# Altium PCB 尺子V1.0.PcbDoc (part 3 of 3)
Units mil, origin at the board's own origin, x right, y up, seen from the top; angles counter-clockwise.
Board outline 8267.72 x 1574.8 mil, 2 copper layers (Top Layer, Bottom Layer); 23 components, 0 nets, 993 pads, 1 vias.
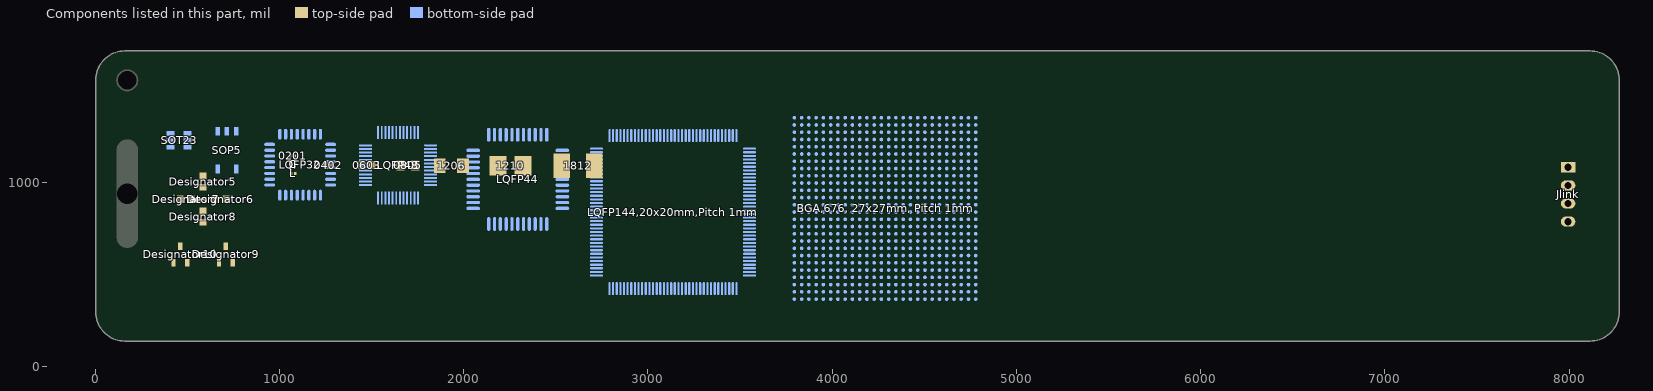
[diagram p3: the components of this part, seen from the top]

## Via types
v1: diameter 60, hole 30, Top Layer to Bottom Layer, 1 vias

## Nets (pads, with @x,y where several pads share a name; then routed paths per layer and width w, separated by ;. In a path a pad name is that pad's centre, name@x,y a point inside that pad or via, vN(x,y) a via of type N, cw(c..) or ccw(c..) an arc to the next point about the centre after c; other vN are vias at no path point) (continued)
copper on no net: | length 213893
  Top Layer w7.87: 3166.27,751.5 3185.96,771.18 3166.28,751.5 ; 3996.77,1256.6 3996.77,1339.94 ; 3998.47,1258.07 3998.47,1341.42 ; 3927.65,1138.19 3996.85,1068.98 ; 3927.65,1138.19 3927.65,1142.47 3927.65,1138.19 ; 3927.65,1138.19 3996.85,1068.98 ; 3927.65,1185.64 3998.16,1256.15 3927.65,1185.64 ; 3927.65,1185.64 3927.65,1181.39 3927.65,1185.64 ; 3929.61,689.37 3998.81,620.16 ; 3929.61,689.37 3929.61,693.65 3929.61,689.37 ; 3929.61,689.37 3998.81,620.16 ; 3929.61,736.82 4000.12,807.33 3929.61,736.82 ; 3929.61,736.82 3929.61,732.57 3929.61,736.82 ; 3996.85,1068.98 3996.85,985.62 3996.85,1068.98 ; 3998.81,620.16 3998.81,536.79 3998.81,620.16 ; 3158.4,1003.47 3178.09,1023.15 3158.4,1003.47 ; 3189.9,999.53 3209.58,1019.21 3189.89,999.53 ; 3197.78,747.56 3217.46,767.25 3197.78,747.56 ; 3789.86,1161.39 3927.65,1161.39 3789.85,1161.39 ; 3791.82,712.57 3929.61,712.57 3791.81,712.57 ; 3998.74,807.78 3998.74,891.12 3998.73,807.78
  Top Layer w10: 462.99,910 476.3,896.69 ; 520.32,910 649.68,910 ; 585,784.68 598.31,797.99 ; 585,845.32 585,974.68 ; 710.31,910 720,900.31 ; 3632.93,975.91 3607.22,975.91 3559.98,975.91 3607.23,975.91 3632.93,975.91 ; 3644.62,720 3579.66,720 3644.63,720 ; 5342.4,660.59 6057.54,532.87 ; 5378.6,795.99 6061.9,549.1 ; 5439.77,927.93 6069.09,564.56 ; 5524.78,1049.09 6078.79,578.46 ; 5570.86,1099.29 6084.66,584.88 ; 5629.91,1153.05 6090.93,590.64 ; 5744.07,1232.19 6104.97,600.49 ; 5869.54,1290.98 6120.57,607.76 ; 6011.77,1329.58 6137.24,612.64 ; 6154.55,1342.32 v1@6155,515 ; 6171.12,612.13 6296.06,1330.43 ; 6187.53,607.73 6440.22,1292.06 ; 6202.99,600.51 6566.44,1233.45 ; 6216.83,590.84 6688.94,1147.92 ; 6223.29,584.94 6743.77,1097.35 ; 6228.77,578.99 6794.6,1041.09 ; 6238.72,564.88 6872.28,929.08 ; 6245.74,550.07 6932.03,801.7 ; 6250.57,532.27 6972.26,649.13 ; 3185.97,975.91 3138.72,975.91 3185.96,975.91 ; 3185.97,975.91 3213.52,975.91 3185.96,975.91 ; 3185.97,1251.5 3138.72,1251.5 3185.96,1251.5 ; 3185.97,1251.5 3211.67,1251.5 3185.96,1251.5 ; 3185.99,719.99 3138.75,719.99 3185.98,719.99 ; 3185.99,719.99 3213.55,719.99 3185.98,719.99 ; 3548.16,1208.19 3548.16,1223.94 3548.15,1208.19 ; 3548.16,1208.19 3563.92,1208.19 ; 3548.15,1208.19 3563.91,1208.19 ; 3563.92,936.54 3563.92,1015.28 ; 3563.92,936.54 3550.14,936.55 3563.92,936.54 ; 3563.92,936.54 3563.92,1015.28 ; 3563.92,1015.28 3581.63,1015.29 3563.92,1015.28 ; 3563.92,1208.19 3563.92,1286.93 3563.91,1208.19 ; 4065.45,1162.78 ccw(c3967.02,1162.78) 4065.45,1162.78 ; 4065.44,1162.78 ccw(c3967.01,1162.78) 4065.44,1162.78 ; 4067.41,713.96 ccw(c3968.98,713.96) 4067.41,713.96 ; 4067.4,713.96 ccw(c3968.97,713.96) 4067.4,713.96 ; 3008.82,719.99 3067.88,719.99 3008.82,719.99 ; 3008.8,975.91 3067.85,975.91 3008.79,975.91 ; 3008.8,1251.5 3067.86,1251.5 3008.8,1251.5 ; 3142.66,936.54 3142.66,1015.28 3142.65,936.54 ; 3142.66,1212.13 3142.66,1290.87 3142.65,1212.13 ; 3142.68,680.62 3142.68,759.36 3142.68,680.62 ; 3428.1,719.67 3487.16,719.67 3428.09,719.67 ; 3430.06,975.91 3489.12,975.91 3430.06,975.91 ; 3430.06,1247.56 3489.12,1247.56 3430.05,1247.56 ; 3559.98,1247.56 3607.23,1247.56 3632.93,1247.56 3607.22,1247.56 3559.98,1247.56 ; 3561.96,680.3 3561.96,759.04 3561.95,680.3 ; 3579.67,678.34 3579.67,759.05 3579.66,678.34 ; 3927.65,1103.72 3927.65,1221.84 3927.65,1103.72 ; 3929.61,654.9 3929.61,773.01 3929.61,654.9
  Top Layer w11.81: 118.31,139.31 118.31,414.31 ; 138.31,139.31 138.31,339.31 ; 158.31,139.31 158.31,319.31 158.31,339.31 ; 178.31,139.31 178.31,339.31 ; 198.31,139.31 198.31,339.31 ; 218.31,139.31 218.31,374.31 ; 238.31,139.31 238.31,339.31 ; 258.31,139.31 258.31,339.31 ; 278.31,139.31 278.31,339.31 ; 298.31,139.31 298.31,339.31 ; 318.31,139.31 318.31,374.31 ; 338.31,139.31 338.31,339.31 ; 358.31,139.31 358.31,319.31 358.31,339.31 ; 378.31,139.31 378.31,339.31 ; 398.31,139.31 398.31,339.31 ; 418.31,139.31 418.31,374.31 ; 438.31,139.31 438.31,339.31 ; 458.31,139.31 458.31,339.31 ; 478.31,139.31 478.31,339.31 ; 498.31,139.31 498.31,339.31 ; 518.31,139.31 518.31,374.31 ; 538.31,139.31 538.31,339.31 ; 558.31,139.31 558.31,319.31 558.31,339.31 ; 578.31,139.31 578.31,339.31 ; 598.31,139.31 598.31,339.31 ; 618.31,139.31 618.31,414.31 ; 638.31,139.31 638.31,339.31 ; 658.31,139.31 658.31,339.31 ; 678.31,139.31 678.31,339.31 ; 698.31,139.31 698.31,339.31 ; 718.31,139.31 718.31,374.31 ; 738.31,139.31 738.31,339.31 ; 758.31,139.31 758.31,319.31 758.31,339.31 ; 778.31,139.31 778.31,339.31 ; 798.31,139.31 798.31,339.31 ; 818.31,139.31 818.31,374.31 ; 838.31,139.31 838.31,339.31 ; 858.31,139.31 858.31,339.31 ; 878.31,139.31 878.31,339.31 ; 898.31,139.31 898.31,339.31 ; 918.31,139.31 918.31,374.31 ; 938.31,139.31 938.31,339.31 ; 958.31,139.31 958.31,319.31 958.31,339.31 ; 978.31,139.31 978.31,339.31 ; 998.31,139.31 998.31,339.31 ; 1018.31,139.31 1018.31,374.31 ; 1038.31,139.31 1038.31,339.31 ; 1058.31,139.31 1058.31,339.31 ; 1078.31,139.31 1078.31,339.31 ; 1098.31,139.31 1098.31,339.31 ; 1118.31,139.31 1118.31,414.31 ; 1138.31,139.31 1138.31,339.31 ; 1158.31,139.31 1158.31,319.31 1158.31,339.31 ; 1178.31,139.31 1178.31,339.31 ; 1198.31,139.31 1198.31,339.31 ; 1218.31,139.31 1218.31,374.31 ; 1238.31,139.31 1238.31,339.31 ; 1258.31,139.31 1258.31,339.31 ; 1278.31,139.31 1278.31,339.31 ; 1298.31,139.31 1298.31,339.31 ; 1318.31,139.31 1318.31,374.31 ; 1338.31,139.31 1338.31,339.31 ; 1358.31,139.31 1358.31,319.31 1358.31,339.31 ; 1378.31,139.31 1378.31,339.31 ; 1398.31,139.31 1398.31,339.31 ; 1418.31,139.31 1418.31,374.31 ; 1438.31,139.31 1438.31,339.31 ; 1458.31,139.31 1458.31,339.31 ; 1478.31,139.31 1478.31,339.31 ; 1498.31,139.31 1498.31,339.31 ; 1518.31,139.31 1518.31,374.31 ; 1538.31,139.31 1538.31,339.31 ; 1558.31,139.31 1558.31,319.31 1558.31,339.31 ; 1578.31,139.31 1578.31,339.31 ; 1598.31,139.31 1598.31,339.31 ; 1618.31,139.31 1618.31,414.31 ; 1638.31,139.31 1638.31,339.31 ; 1658.31,139.31 1658.31,339.31 ; 1678.31,139.31 1678.31,339.31 ; 1698.31,139.31 1698.31,339.31 ; 1718.31,139.31 1718.31,374.31 ; 1738.31,139.31 1738.31,339.31 ; 1758.31,139.31 1758.31,319.31 1758.31,339.31 ; 1778.31,139.31 1778.31,339.31 ; 1798.31,139.31 1798.31,339.31 ; 1818.31,139.31 1818.31,374.31 ; 1838.31,139.31 1838.31,339.31 ; 1858.31,139.31 1858.31,339.31 ; 1878.31,139.31 1878.31,339.31 ; 1898.31,139.31 1898.31,339.31 ; 1918.31,139.31 1918.31,374.31 ; 1938.31,139.31 1938.31,339.31 ; 1958.31,139.31 1958.31,319.31 1958.31,339.31 ; 1978.31,139.31 1978.31,339.31 ; 1998.31,139.31 1998.31,339.31 ; 2018.31,139.31 2018.31,374.31 ; 2038.31,139.31 2038.31,339.31 ; 2058.31,139.31 2058.31,339.31 ; 2078.31,139.31 2078.31,339.31 ; 2098.31,139.31 2098.31,339.31 ; 2118.31,139.31 2118.31,414.31 ; 2138.31,139.31 2138.31,339.31 ; 2158.31,139.31 2158.31,319.31 2158.31,339.31 ; 2178.31,139.31 2178.31,339.31 ; 2198.31,139.31 2198.31,339.31 ; 2218.31,139.31 2218.31,374.31 ; 2238.31,139.31 2238.31,339.31 ; 2258.31,139.31 2258.31,339.31 ; 2278.31,139.31 2278.31,339.31 ; 2298.31,139.31 2298.31,339.31 ; 2318.31,139.31 2318.31,374.31 ; 2338.31,139.31 2338.31,339.31 ; 2358.31,139.31 2358.31,319.31 2358.31,339.31 ; 2378.31,139.31 2378.31,339.31 ; 2398.31,139.31 2398.31,339.31 ; 2418.31,139.31 2418.31,374.31 ; 2438.31,139.31 2438.31,339.31 ; 2458.31,139.31 2458.31,339.31 ; 2478.31,139.31 2478.31,339.31 ; 2498.31,139.31 2498.31,339.31 ; 2518.31,139.31 2518.31,374.31 ; 2538.31,139.31 2538.31,339.31 ; 2558.31,139.31 2558.31,319.31 2558.31,339.31 ; 2578.31,139.31 2578.31,339.31 ; 2598.31,139.31 2598.31,339.31 ; 2618.31,139.31 2618.31,414.31 ; 2638.31,139.31 2638.31,339.31 ; 2658.31,139.31 2658.31,339.31 ; 2678.31,139.31 2678.31,339.31 ; 2698.31,139.31 2698.31,339.31 ; 2718.31,139.31 2718.31,374.31 ; 2738.31,139.31 2738.31,339.31 ; 2758.31,139.31 2758.31,319.31 2758.31,339.31 ; 2778.31,139.31 2778.31,339.31 ; 2798.31,139.31 2798.31,339.31 ; 2818.31,139.31 2818.31,374.31 ; 2838.31,139.31 2838.31,339.31 ; 2858.31,139.31 2858.31,339.31 ; 2878.31,139.31 2878.31,339.31 ; 2898.31,139.31 2898.31,339.31 ; 2918.31,139.31 2918.31,374.31 ; 2938.31,139.31 2938.31,339.31 ; 2958.31,139.31 2958.31,319.31 2958.31,339.31 ; 2978.31,139.31 2978.31,339.31 ; 2998.31,139.31 2998.31,339.31 ; 3018.31,139.31 3018.31,374.31 ; 3038.31,139.31 3038.31,339.31 ; 3058.31,139.31 3058.31,339.31 ; 3078.31,139.31 3078.31,339.31 ; 3098.31,139.31 3098.31,339.31 ; 3118.31,139.31 3118.31,414.31 ; 3138.31,139.31 3138.31,339.31 ; 3158.31,139.31 3158.31,319.31 3158.31,339.31 ; 3178.31,139.31 3178.31,339.31 ; 3198.31,139.31 3198.31,339.31 ; 3218.31,139.31 3218.31,374.31 ; 3238.31,139.31 3238.31,339.31 ; 3258.31,139.31 3258.31,339.31 ; 3278.31,139.31 3278.31,339.31 ; 3298.31,139.31 3298.31,339.31 ; 3318.31,139.31 3318.31,374.31 ; 3338.31,139.31 3338.31,339.31 ; 3358.31,139.31 3358.31,319.31 3358.31,339.31 ; 3378.31,139.31 3378.31,339.31 ; 3398.31,139.31 3398.31,339.31 ; 3418.31,139.31 3418.31,374.31 ; 3438.31,139.31 3438.31,339.31 ; 3458.31,139.31 3458.31,339.31 ; 3478.31,139.31 3478.31,339.31 ; 3498.31,139.31 3498.31,339.31 ; 3518.31,139.31 3518.31,374.31 ; 3538.31,139.31 3538.31,339.31 ; 3558.31,139.31 3558.31,319.31 3558.31,339.31 ; 3578.31,139.31 3578.31,339.31 ; 3598.31,139.31 3598.31,339.31 ; 3618.31,139.31 3618.31,414.31 ; 3638.31,139.31 3638.31,339.31 ; 3658.31,139.31 3658.31,339.31 ; 3678.31,139.31 3678.31,339.31 ; 3698.31,139.31 3698.31,339.31 ; 3718.31,139.31 3718.31,374.31 ; 3738.31,139.31 3738.31,339.31 ; 3758.31,139.31 3758.31,319.31 3758.31,339.31 ; 3778.31,139.31 3778.31,339.31 ; 3798.31,139.31 3798.31,339.31 ; 3818.31,139.31 3818.31,374.31 ; 3838.31,139.31 3838.31,339.31 ; 3858.31,139.31 3858.31,339.31 ; 3878.31,139.31 3878.31,339.31 ; 3898.31,139.31 3898.31,339.31 ; 3918.31,139.31 3918.31,374.31 ; 3938.31,139.31 3938.31,339.31 ; 3958.31,139.31 3958.31,319.31 3958.31,339.31 ; 3978.31,139.31 3978.31,339.31 ; 3998.31,139.31 3998.31,339.31 ; 4018.31,139.31 4018.31,374.31 ; 4038.31,139.31 4038.31,339.31 ; 4058.31,139.31 4058.31,339.31 ; 4078.31,139.31 4078.31,339.31 ; 4098.31,139.31 4098.31,339.31 ; 4118.31,139.31 4118.31,414.31 ; 4138.31,139.31 4138.31,339.31 ; 4158.31,139.31 4158.31,319.31 4158.31,339.31 ; 4178.31,139.31 4178.31,339.31 ; 4198.31,139.31 4198.31,339.31 ; 4218.31,139.31 4218.31,374.31 ; 4238.31,139.31 4238.31,339.31 ; 4258.31,139.31 4258.31,339.31 ; 4278.31,139.31 4278.31,339.31 ; 4298.31,139.31 4298.31,339.31 ; 4318.31,139.31 4318.31,374.31 ; 4338.31,139.31 4338.31,339.31 ; 4358.31,139.31 4358.31,319.31 4358.31,339.31 ; 4378.31,139.31 4378.31,339.31 ; 4398.31,139.31 4398.31,339.31 ; 4418.31,139.31 4418.31,374.31 ; 4438.31,139.31 4438.31,339.31 ; 4458.31,139.31 4458.31,339.31 ; 4478.31,139.31 4478.31,339.31 ; 4498.31,139.31 4498.31,339.31 ; 4518.31,139.31 4518.31,374.31 ; 4538.31,139.31 4538.31,339.31 ; 4558.31,139.31 4558.31,319.31 4558.31,339.31 ; 4578.31,139.31 4578.31,339.31 ; 4598.31,139.31 4598.31,339.31 ; 4618.31,139.31 4618.31,414.31 ; 4638.31,139.31 4638.31,339.31 ; 4658.31,139.31 4658.31,319.31 4658.31,339.31 ; 4678.31,139.31 4678.31,339.31 ; 4698.31,139.31 4698.31,339.31 ; 4718.31,139.31 4718.31,374.31 ; 4738.31,139.31 4738.31,339.31 ; 4758.31,139.31 4758.31,339.31 ; 4778.31,139.31 4778.31,339.31 ; 4798.31,139.31 4798.31,339.31 ; 4818.31,139.31 4818.31,374.31 ; 4838.31,139.31 4838.31,339.31 ; 4858.31,139.31 4858.31,319.31 4858.31,339.31 ; 4878.31,139.31 4878.31,339.31 ; 4898.31,139.31 4898.31,339.31 ; 4918.31,139.31 4918.31,374.31 ; 4938.31,139.31 4938.31,339.31 ; 4958.31,139.31 4958.31,339.31 ; 4978.31,139.31 4978.31,339.31 ; 4998.31,139.31 4998.31,339.31 ; 5018.31,139.31 5018.31,374.31 ; 5038.31,139.31 5038.31,339.31 ; 5058.31,139.31 5058.31,319.31 5058.31,339.31 ; 5078.31,139.31 5078.31,339.31 ; 5098.31,139.31 5098.31,339.31 ; 5118.31,139.31 5118.31,414.31 ; 5138.31,139.31 5138.31,339.31 ; 5158.31,139.31 5158.31,339.31 ; 5178.31,139.31 5178.31,339.31 ; 5198.31,139.31 5198.31,339.31 ; 5218.31,139.31 5218.31,374.31 ; 5238.31,139.31 5238.31,339.31 ; 5258.31,139.31 5258.31,319.31 5258.31,339.31 ; 5278.31,139.31 5278.31,339.31 ; 5298.31,139.31 5298.31,339.31 ; 5318.31,139.31 5318.31,374.31 ; 5338.31,139.31 5338.31,339.31 ; 5358.31,139.31 5358.31,339.31 ; 5378.31,139.31 5378.31,339.31 ; 5398.31,139.31 5398.31,339.31 ; 5418.31,139.31 5418.31,374.31 ; 5438.31,139.31 5438.31,339.31 ; 5458.31,139.31 5458.31,319.31 5458.31,339.31 ; 5478.31,139.31 5478.31,339.31 ; 5498.31,139.31 5498.31,339.31 ; 5518.31,139.31 5518.31,374.31 ; 5538.31,139.31 5538.31,339.31 ; 5558.31,139.31 5558.31,339.31 ; 5578.31,139.31 5578.31,339.31 ; 5598.31,139.31 5598.31,339.31 ; 5618.31,139.31 5618.31,414.31 ; 5638.31,139.31 5638.31,339.31 ; 5658.31,139.31 5658.31,319.31 5658.31,339.31 ; 5678.31,139.31 5678.31,339.31 ; 5698.31,139.31 5698.31,339.31 ; 5718.31,139.31 5718.31,374.31 ; 5738.31,139.31 5738.31,339.31 ; 5758.31,139.31 5758.31,339.31 ; 5778.31,139.31 5778.31,339.31 ; 5798.31,139.31 5798.31,339.31 ; 5818.31,139.31 5818.31,374.31 ; 5838.31,139.31 5838.31,339.31 ; 5858.31,139.31 5858.31,319.31 5858.31,339.31 ; 5878.31,139.31 5878.31,339.31 ; 5898.31,139.31 5898.31,339.31 ; 5918.31,139.31 5918.31,374.31 ; 5938.31,139.31 5938.31,339.31 ; 5958.31,139.31 5958.31,339.31 ; 5978.31,139.31 5978.31,339.31 ; 5998.31,139.31 5998.31,339.31 ; 6018.31,139.31 6018.31,374.31 ; 6038.31,139.31 6038.31,339.31 ; 6056.01,515.65 cw(c6154,515.65) 6251.99,515.65 ; 6058.31,139.31 6058.31,319.31 6058.31,339.31 ; 6078.31,139.31 6078.31,339.31 ; 6098.31,139.31 6098.31,339.31 ; 6118.31,139.31 6118.31,414.31 ; 6138.31,139.31 6138.31,339.31 ; 6158.31,139.31 6158.31,319.31 6158.31,339.31 ; 6178.31,139.31 6178.31,339.31 ; 6198.31,139.31 6198.31,339.31 ; 6218.31,139.31 6218.31,374.31 ; 6238.31,139.31 6238.31,339.31 ; 6258.31,139.31 6258.31,339.31 ; 6278.31,139.31 6278.31,339.31 ; 6298.31,139.31 6298.31,339.31 ; 6318.31,139.31 6318.31,374.31 ; 6338.31,139.31 6338.31,339.31 ; 6358.31,139.31 6358.31,319.31 6358.31,339.31 ; 6378.31,139.31 6378.31,339.31 ; 6398.31,139.31 6398.31,339.31 ; 6418.31,139.31 6418.31,374.31 ; 6438.31,139.31 6438.31,339.31 ; 6458.31,139.31 6458.31,339.31 ; 6478.31,139.31 6478.31,339.31 ; 6498.31,139.31 6498.31,339.31 ; 6518.31,139.31 6518.31,374.31 ; 6538.31,139.31 6538.31,339.31 ; 6558.31,139.31 6558.31,319.31 6558.31,339.31 ; 6578.31,139.31 6578.31,339.31 ; 6598.31,139.31 6598.31,339.31 ; 6618.31,139.31 6618.31,414.31 ; 6638.31,139.31 6638.31,339.31 ; 6658.31,139.31 6658.31,339.31 ; 6678.31,139.31 6678.31,339.31 ; 6698.31,139.31 6698.31,339.31 ; 6718.31,139.31 6718.31,374.31 ; 6738.31,139.31 6738.31,339.31 ; 6758.31,139.31 6758.31,319.31 6758.31,339.31 ; 6778.31,139.31 6778.31,339.31 ; 6798.31,139.31 6798.31,339.31 ; 6818.31,139.31 6818.31,374.31 ; 6838.31,139.31 6838.31,339.31 ; 6858.31,139.31 6858.31,339.31 ; 6878.31,139.31 6878.31,339.31 ; 6898.31,139.31 6898.31,339.31 ; 6918.31,139.31 6918.31,374.31 ; 6938.31,139.31 6938.31,339.31 ; 6958.31,139.31 6958.31,319.31 6958.31,339.31 ; 6978.31,139.31 6978.31,339.31 ; 6998.31,139.31 6998.31,339.31 ; 7018.31,139.31 7018.31,374.31 ; 7038.31,139.31 7038.31,339.31 ; 7058.31,139.31 7058.31,339.31 ; 7078.31,139.31 7078.31,339.31 ; 7098.31,139.31 7098.31,339.31 ; 7118.31,139.31 7118.31,414.31 ; 7138.31,139.31 7138.31,339.31 ; 7158.31,139.31 7158.31,319.31 7158.31,339.31 ; 7178.31,139.31 7178.31,339.31 ; 7198.31,139.31 7198.31,339.31 ; 7218.31,139.31 7218.31,374.31 ; 7238.31,139.31 7238.31,339.31 ; 7258.31,139.31 7258.31,339.31 ; 7278.31,139.31 7278.31,339.31 ; 7298.31,139.31 7298.31,339.31 ; 7318.31,139.31 7318.31,374.31 ; 7338.31,139.31 7338.31,339.31 ; 7358.31,139.31 7358.31,319.31 7358.31,339.31 ; 7378.31,139.31 7378.31,339.31 ; 7398.31,139.31 7398.31,339.31 ; 7418.31,139.31 7418.31,374.31 ; 7438.31,139.31 7438.31,339.31 ; 7458.31,139.31 7458.31,339.31 ; 7478.31,139.31 7478.31,339.31 ; 7498.31,139.31 7498.31,339.31 ; 7518.31,139.31 7518.31,374.31 ; 7538.31,139.31 7538.31,339.31 ; 7558.31,139.31 7558.31,319.31 7558.31,339.31 ; 7578.31,139.31 7578.31,339.31 ; 7598.31,139.31 7598.31,339.31 ; 7618.31,139.31 7618.31,414.31 ; 7638.31,139.31 7638.31,339.31 ; 7658.31,139.31 7658.31,319.31 7658.31,339.31 ; 7678.31,139.31 7678.31,339.31 ; 7698.31,139.31 7698.31,339.31 ; 7718.31,139.31 7718.31,374.31 ; 7738.31,139.31 7738.31,339.31 ; 7758.31,139.31 7758.31,339.31 ; 7778.31,139.31 7778.31,339.31 ; 7798.31,139.31 7798.31,339.31 ; 7818.31,139.31 7818.31,374.31 ; 7838.31,139.31 7838.31,339.31 ; 7858.31,139.31 7858.31,319.31 7858.31,339.31 ; 7878.31,139.31 7878.31,339.31 ; 7898.31,139.31 7898.31,339.31 ; 7918.31,139.31 7918.31,374.31 ; 7938.31,139.31 7938.31,339.31 ; 7958.31,139.31 7958.31,339.31 ; 7978.31,139.31 7978.31,339.31 ; 7998.31,139.31 7998.31,339.31 ; 8018.31,139.31 8018.31,374.31 ; 8038.31,139.31 8038.31,339.31 ; 8058.31,139.31 8058.31,319.31 8058.31,339.31 ; 8078.31,139.31 8078.31,339.31 ; 8098.31,139.31 8098.31,339.31 ; 8118.31,139.31 8118.31,414.31 ; 5329.58,515.55 cw(c6156.35,515.55) 6983.12,515.55 5329.58,515.55
  Top Layer w13.78: 178.31,1437.99 178.31,1713.58 ; 217.68,1516.73 217.68,1713.58 ; 257.05,1516.73 257.05,1713.58 ; 296.42,1516.73 296.42,1713.58 ; 335.79,1516.73 335.79,1713.58 ; 375.16,1477.36 375.16,1713.58 ; 414.53,1516.73 414.53,1713.58 ; 453.9,1516.73 453.9,1713.58 ; 493.27,1516.73 493.27,1713.58 ; 532.64,1516.73 532.64,1713.58 ; 572.01,1437.99 572.01,1713.58 ; 611.38,1516.73 611.38,1713.58 ; 650.75,1516.73 650.75,1713.58 ; 690.12,1516.73 690.12,1713.58 ; 729.49,1516.73 729.49,1713.58 ; 768.86,1477.36 768.86,1713.58 ; 808.23,1516.73 808.23,1713.58 ; 847.6,1516.73 847.6,1713.58 ; 886.97,1516.73 886.97,1713.58 ; 926.34,1516.73 926.34,1713.58 ; 965.71,1437.99 965.71,1713.58 ; 1005.08,1516.73 1005.08,1713.58 ; 1044.45,1516.73 1044.45,1713.58 ; 1083.82,1516.73 1083.82,1713.58 ; 1123.19,1516.73 1123.19,1713.58 ; 1162.56,1477.36 1162.56,1713.58 ; 1201.93,1516.73 1201.93,1713.58 ; 1241.3,1516.73 1241.3,1713.58 ; 1280.67,1516.73 1280.67,1713.58 ; 1320.04,1516.73 1320.04,1713.58 ; 1359.41,1437.99 1359.41,1713.58 ; 1398.78,1516.73 1398.78,1713.58 ; 1438.15,1516.73 1438.15,1713.58 ; 1477.52,1516.73 1477.52,1713.58 ; 1516.89,1516.73 1516.89,1713.58 ; 1556.26,1477.36 1556.26,1713.58 ; 1595.63,1516.73 1595.63,1713.58 ; 1635,1516.73 1635,1713.58 ; 1674.37,1516.73 1674.37,1713.58 ; 1713.74,1516.73 1713.74,1713.58 ; 1753.11,1437.99 1753.11,1713.58 ; 1792.48,1516.73 1792.48,1713.58 ; 1831.85,1516.73 1831.85,1713.58 ; 1871.22,1516.73 1871.22,1713.58 ; 1910.59,1516.73 1910.59,1713.58 ; 1949.96,1477.36 1949.96,1713.58 ; 1989.33,1516.73 1989.33,1713.58 ; 2028.7,1516.73 2028.7,1713.58 ; 2068.07,1516.73 2068.07,1713.58 ; 2107.44,1516.73 2107.44,1713.58 ; 2146.81,1437.99 2146.81,1713.58 ; 2186.18,1516.73 2186.18,1713.58 ; 2225.55,1516.73 2225.55,1713.58 ; 2264.92,1516.73 2264.92,1713.58 ; 2304.29,1516.73 2304.29,1713.58 ; 2343.66,1477.36 2343.66,1713.58 ; 2383.03,1516.73 2383.03,1713.58 ; 2422.4,1516.73 2422.4,1713.58 ; 2461.77,1516.73 2461.77,1713.58 ; 2501.14,1516.73 2501.14,1713.58 ; 2540.51,1437.99 2540.51,1713.58 ; 2579.88,1516.73 2579.88,1713.58 ; 2619.25,1516.73 2619.25,1713.58 ; 2658.62,1516.73 2658.62,1713.58 ; 2697.99,1516.73 2697.99,1713.58 ; 2737.36,1477.36 2737.36,1713.58 ; 2776.73,1516.73 2776.73,1713.58 ; 2816.1,1516.73 2816.1,1713.58 ; 2855.47,1516.73 2855.47,1713.58 ; 2894.84,1516.73 2894.84,1713.58 ; 2934.21,1437.99 2934.21,1713.58 ; 2973.58,1516.73 2973.58,1713.58 ; 3012.95,1516.73 3012.95,1713.58 ; 3052.32,1516.73 3052.32,1713.58 ; 3091.69,1516.73 3091.69,1713.58 ; 3131.06,1477.36 3131.06,1713.58 ; 3170.43,1516.73 3170.43,1713.58 ; 3209.8,1516.73 3209.8,1713.58 ; 3249.17,1516.73 3249.17,1713.58 ; 3288.54,1516.73 3288.54,1713.58 ; 3327.91,1437.99 3327.91,1713.58 ; 3367.28,1516.73 3367.28,1713.58 ; 3406.65,1516.73 3406.65,1713.58 ; 3446.02,1516.73 3446.02,1713.58 ; 3485.39,1516.73 3485.39,1713.58 ; 3524.76,1477.36 3524.76,1713.58 ; 3564.13,1516.73 3564.13,1713.58 ; 3603.5,1516.73 3603.5,1713.58 ; 3642.87,1516.73 3642.87,1713.58 ; 3682.24,1516.73 3682.24,1713.58 ; 3721.61,1437.99 3721.61,1713.58 ; 3760.98,1516.73 3760.98,1713.58 ; 3800.36,1516.73 3800.36,1713.58 ; 3839.72,1516.73 3839.72,1713.58 ; 3879.09,1516.73 3879.09,1713.58 ; 3918.47,1477.36 3918.47,1713.58 ; 3957.84,1516.73 3957.84,1713.58 ; 3997.2,1516.73 3997.2,1713.58 ; 4036.57,1516.73 4036.57,1713.58 ; 4075.95,1516.73 4075.95,1713.58 ; 4115.31,1437.99 4115.31,1713.58 ; 4154.69,1516.73 4154.69,1713.58 ; 4194.06,1516.73 4194.06,1713.58 ; 4233.43,1516.73 4233.43,1713.58 ; 4272.8,1516.73 4272.8,1713.58 ; 4312.17,1477.36 4312.17,1713.58 ; 4351.54,1516.73 4351.54,1713.58 ; 4390.91,1516.73 4390.91,1713.58 ; 4430.28,1516.73 4430.28,1713.58 ; 4469.65,1516.73 4469.65,1713.58 ; 4509.02,1437.99 4509.02,1713.58 ; 4548.39,1516.73 4548.39,1713.58 ; 4587.76,1516.73 4587.76,1713.58 ; 4627.13,1516.73 4627.13,1713.58 ; 4666.5,1516.73 4666.5,1713.58 ; 4705.87,1477.36 4705.87,1713.58 ; 4745.24,1516.73 4745.24,1713.58 ; 4784.61,1516.73 4784.61,1713.58 ; 4823.98,1516.73 4823.98,1713.58 ; 4863.35,1516.73 4863.35,1713.58 ; 4902.72,1437.99 4902.72,1713.58 ; 4942.09,1516.73 4942.09,1713.58 ; 4981.46,1516.73 4981.46,1713.58 ; 5020.83,1516.73 5020.83,1713.58 ; 5060.2,1516.73 5060.2,1713.58 ; 5099.57,1477.36 5099.57,1713.58 ; 5138.94,1516.73 5138.94,1713.58 ; 5178.31,1516.73 5178.31,1713.58 ; 5217.68,1516.73 5217.68,1713.58 ; 5257.05,1516.73 5257.05,1713.58 ; 5296.42,1437.99 5296.42,1713.58 ; 5335.79,1516.73 5335.79,1713.58 ; 5375.16,1516.73 5375.16,1713.58 ; 5414.53,1516.73 5414.53,1713.58 ; 5453.9,1516.73 5453.9,1713.58 ; 5493.27,1477.36 5493.27,1713.58 ; 5532.64,1516.73 5532.64,1713.58 ; 5572.01,1516.73 5572.01,1713.58 ; 5611.38,1516.73 5611.38,1713.58 ; 5650.75,1516.73 5650.75,1713.58 ; 5690.12,1437.99 5690.12,1713.58 ; 5729.49,1516.73 5729.49,1713.58 ; 5768.86,1516.73 5768.86,1713.58 ; 5808.23,1516.73 5808.23,1713.58 ; 5847.6,1516.73 5847.6,1713.58 ; 5886.97,1477.36 5886.97,1713.58 ; 5926.34,1516.73 5926.34,1713.58 ; 5965.71,1516.73 5965.71,1713.58 ; 6005.08,1516.73 6005.08,1713.58 ; 6044.45,1516.73 6044.45,1713.58 ; 6083.82,1437.99 6083.82,1713.58 ; 6123.19,1516.73 6123.19,1713.58 ; 6162.56,1516.73 6162.56,1713.58 ; 6201.93,1516.73 6201.93,1713.58 ; 6241.3,1516.73 6241.3,1713.58 ; 6280.67,1477.36 6280.67,1713.58 ; 6320.04,1516.73 6320.04,1713.58 ; 6359.41,1516.73 6359.41,1713.58 ; 6398.78,1516.73 6398.78,1713.58 ; 6438.15,1516.73 6438.15,1713.58 ; 6477.52,1437.99 6477.52,1713.58 ; 6518.66,1513.15 6518.66,1710 ; 6556.26,1516.73 6556.26,1713.58 ; 6595.63,1516.73 6595.63,1713.58 ; 6635,1516.73 6635,1713.58 ; 6674.37,1477.36 6674.37,1713.58 ; 6713.74,1516.73 6713.74,1713.58 ; 6753.11,1516.73 6753.11,1713.58 ; 6792.48,1516.73 6792.48,1713.58 ; 6831.85,1516.73 6831.85,1713.58 ; 6871.22,1437.99 6871.22,1713.58 ; 6910.59,1516.73 6910.59,1713.58 ; 6949.96,1516.73 6949.96,1713.58 ; 6989.33,1516.73 6989.33,1713.58 ; 7028.7,1516.73 7028.7,1713.58 ; 7068.07,1477.36 7068.07,1713.58 ; 7107.44,1516.73 7107.44,1713.58 ; 7146.81,1516.73 7146.81,1713.58 ; 7186.18,1516.73 7186.18,1713.58 ; 7225.55,1516.73 7225.55,1713.58 ; 7264.92,1437.99 7264.92,1713.58 ; 7304.29,1516.73 7304.29,1713.58 ; 7343.66,1516.73 7343.66,1713.58 ; 7383.03,1516.73 7383.03,1713.58 ; 7422.4,1516.73 7422.4,1713.58 ; 7461.77,1477.36 7461.77,1713.58 ; 7501.14,1516.73 7501.14,1713.58 ; 7540.51,1516.73 7540.51,1713.58 ; 7579.88,1516.73 7579.88,1713.58 ; 7619.25,1516.73 7619.25,1713.58 ; 7658.62,1437.99 7658.62,1713.58 ; 7697.99,1516.73 7697.99,1713.58 ; 7737.36,1516.73 7737.36,1713.58 ; 7776.73,1516.73 7776.73,1713.58 ; 7816.1,1516.73 7816.1,1713.58 ; 7855.47,1477.36 7855.47,1713.58 ; 7894.84,1516.73 7894.84,1713.58 ; 7934.21,1516.73 7934.21,1713.58 ; 7973.58,1516.73 7973.58,1713.58 ; 8012.95,1516.73 8012.95,1713.58 ; 8052.32,1437.99 8052.32,1713.58
  Bottom Layer w10: 5342.19,661.14 6057.33,533.42 ; 5378.39,796.54 6061.69,549.65 ; 5439.56,928.49 6068.88,565.11 ; 5524.57,1049.64 6078.58,579.01 ; 5570.65,1099.84 6084.45,585.43 ; 5629.7,1153.61 6090.72,591.19 ; 5743.86,1232.74 6104.76,601.04 ; 5869.33,1291.53 6120.36,608.31 ; 6011.56,1330.13 6136.73,612.69 ; 6055.8,516.2 cw(c6153.79,516.2) 6251.78,516.2 ; 6154.34,1342.87 v1@6155,515 ; 6170.91,612.68 6295.85,1330.98 ; 6187.32,608.28 6440.01,1292.61 ; 6202.78,601.07 6566.23,1234 ; 6216.62,591.39 6688.73,1148.48 ; 6223.08,585.49 6743.56,1097.91 ; 6228.56,579.54 6794.39,1041.64 ; 6238.51,565.44 6872.07,929.63 ; 6245.53,550.63 6931.82,802.25 ; 6250.36,532.82 6972.05,649.69
  Bottom Layer w11.81: 5329.37,516.1 cw(c6156.14,516.1) 6982.91,516.1 5329.37,516.1
  Bottom Layer w13.78: 180,1439.41 180,1715 ; 219.37,1518.15 219.37,1544.64 219.37,1715 ; 258.74,1518.15 258.74,1715 ; 298.11,1518.15 298.11,1715 ; 337.48,1518.15 337.48,1715 ; 376.85,1478.78 376.85,1715 ; 416.22,1518.15 416.22,1715 ; 455.59,1518.15 455.59,1715 ; 494.96,1518.15 494.96,1715 ; 534.33,1518.15 534.33,1715 ; 573.7,1439.41 573.7,1715 ; 613.07,1518.15 613.07,1715 ; 652.44,1518.15 652.44,1715 ; 691.81,1518.15 691.81,1715 ; 731.18,1518.15 731.18,1715 ; 770.55,1478.78 770.55,1715 ; 809.92,1518.15 809.92,1715 ; 849.29,1518.15 849.29,1715 ; 888.66,1518.15 888.66,1715 ; 928.03,1518.15 928.03,1715 ; 967.4,1439.41 967.4,1715 ; 1006.77,1518.15 1006.77,1715 ; 1046.14,1518.15 1046.14,1715 ; 1085.51,1518.15 1085.51,1715 ; 1124.88,1518.15 1124.88,1715 ; 1164.25,1478.78 1164.25,1715 ; 1203.62,1518.15 1203.62,1715 ; 1242.99,1518.15 1242.99,1715 ; 1282.36,1518.15 1282.36,1715 ; 1321.73,1518.15 1321.73,1715 ; 1361.1,1439.41 1361.1,1715 ; 1400.47,1518.15 1400.47,1715 ; 1439.84,1518.15 1439.84,1715 ; 1479.21,1518.15 1479.21,1715 ; 1518.58,1518.15 1518.58,1715 ; 1557.95,1478.78 1557.95,1715 ; 1597.32,1518.15 1597.32,1715 ; 1636.69,1518.15 1636.69,1715 ; 1676.06,1518.15 1676.06,1715 ; 1715.43,1518.15 1715.43,1715 ; 1754.8,1439.41 1754.8,1715 ; 1794.17,1518.15 1794.17,1715 ; 1833.55,1518.15 1833.55,1715 ; 1872.91,1518.15 1872.91,1715 ; 1912.29,1518.15 1912.29,1715 ; 1951.65,1478.78 1951.65,1715 ; 1991.03,1518.15 1991.03,1715 ; 2030.39,1518.15 2030.39,1715 ; 2069.76,1518.15 2069.76,1715 ; 2109.14,1518.15 2109.14,1715 ; 2148.51,1439.41 2148.51,1715 ; 2187.88,1518.15 2187.88,1715 ; 2227.25,1518.15 2227.25,1715 ; 2266.62,1518.15 2266.62,1715 ; 2305.99,1518.15 2305.99,1715 ; 2345.36,1478.78 2345.36,1715 ; 2384.73,1518.15 2384.73,1715 ; 2424.1,1518.15 2424.1,1715 ; 2463.47,1518.15 2463.47,1715 ; 2502.84,1518.15 2502.84,1715 ; 2542.21,1439.41 2542.21,1715 ; 2581.57,1518.15 2581.57,1715 ; 2620.95,1518.15 2620.95,1715 ; 2660.32,1518.15 2660.32,1715 ; 2699.69,1518.15 2699.69,1715 ; 2739.06,1478.78 2739.06,1715 ; 2778.43,1518.15 2778.43,1715 ; 2817.8,1518.15 2817.8,1715 ; 2857.17,1518.15 2857.17,1715 ; 2896.54,1518.15 2896.54,1715 ; 2935.91,1439.41 2935.91,1715 ; 2975.28,1518.15 2975.28,1715 ; 3014.65,1518.15 3014.65,1715 ; 3054.02,1518.15 3054.02,1715 ; 3093.39,1518.15 3093.39,1715 ; 3132.76,1478.78 3132.76,1715 ; 3172.13,1518.15 3172.13,1715 ; 3211.5,1518.15 3211.5,1715 ; 3250.87,1518.15 3250.87,1715 ; 3290.24,1518.15 3290.24,1715 ; 3329.61,1439.41 3329.61,1715 ; 3368.98,1518.15 3368.98,1715 ; 3408.35,1518.15 3408.35,1715 ; 3447.72,1518.15 3447.72,1715 ; 3487.09,1518.15 3487.09,1715 ; 3526.46,1478.78 3526.46,1715 ; 3565.83,1518.15 3565.83,1715 ; 3605.2,1518.15 3605.2,1715 ; 3644.57,1518.15 3644.57,1715 ; 3683.94,1518.15 3683.94,1715 ; 3723.31,1439.41 3723.31,1715 ; 3762.68,1518.15 3762.68,1715 ; 3802.05,1518.15 3802.05,1715 ; 3841.42,1518.15 3841.42,1715 ; 3880.79,1518.15 3880.79,1715 ; 3920.16,1478.78 3920.16,1715 ; 3959.53,1518.15 3959.53,1715 ; 3998.9,1518.15 3998.9,1715 ; 4038.27,1518.15 4038.27,1715 ; 4077.64,1518.15 4077.64,1715 ; 4117.01,1439.41 4117.01,1715 ; 4156.38,1518.15 4156.38,1715 ; 4195.75,1518.15 4195.75,1715 ; 4235.12,1518.15 4235.12,1715 ; 4274.49,1518.15 4274.49,1715 ; 4313.86,1478.78 4313.86,1715 ; 4353.23,1518.15 4353.23,1715 ; 4392.6,1518.15 4392.6,1715 ; 4431.97,1518.15 4431.97,1715 ; 4471.34,1518.15 4471.34,1715 ; 4510.71,1439.41 4510.71,1715 ; 4550.08,1518.15 4550.08,1715 ; 4589.45,1518.15 4589.45,1715 ; 4628.82,1518.15 4628.82,1715 ; 4668.19,1518.15 4668.19,1715 ; 4707.56,1478.78 4707.56,1715 ; 4746.93,1518.15 4746.93,1715 ; 4786.3,1518.15 4786.3,1715 ; 4825.67,1518.15 4825.67,1715 ; 4865.04,1518.15 4865.04,1715 ; 4904.41,1439.41 4904.41,1715 ; 4943.78,1518.15 4943.78,1715 ; 4983.15,1518.15 4983.15,1715 ; 5022.52,1518.15 5022.52,1715 ; 5061.89,1518.15 5061.89,1715 ; 5101.26,1478.78 5101.26,1715 ; 5140.63,1518.15 5140.63,1715 ; 5180,1518.15 5180,1715 ; 5219.37,1518.15 5219.37,1715 ; 5258.74,1518.15 5258.74,1715 ; 5298.11,1439.41 5298.11,1715 ; 5337.48,1518.15 5337.48,1715 ; 5376.85,1518.15 5376.85,1715 ; 5416.22,1518.15 5416.22,1715 ; 5455.59,1518.15 5455.59,1715 ; 5494.96,1478.78 5494.96,1715 ; 5534.33,1518.15 5534.33,1715 ; 5573.7,1518.15 5573.7,1715 ; 5613.07,1518.15 5613.07,1715 ; 5652.44,1518.15 5652.44,1715 ; 5691.81,1439.41 5691.81,1715 ; 5731.18,1518.15 5731.18,1715 ; 5770.55,1518.15 5770.55,1715 ; 5809.92,1518.15 5809.92,1715 ; 5849.29,1518.15 5849.29,1715 ; 5888.66,1478.78 5888.66,1715 ; 5928.03,1518.15 5928.03,1715 ; 5967.4,1518.15 5967.4,1715 ; 6006.77,1518.15 6006.77,1715 ; 6046.14,1518.15 6046.14,1715 ; 6085.51,1439.41 6085.51,1715 ; 6124.88,1518.15 6124.88,1715 ; 6164.25,1518.15 6164.25,1715 ; 6203.62,1518.15 6203.62,1715 ; 6242.99,1518.15 6242.99,1715 ; 6282.36,1478.78 6282.36,1715 ; 6321.73,1518.15 6321.73,1715 ; 6361.1,1518.15 6361.1,1715 ; 6400.47,1518.15 6400.47,1715 ; 6439.84,1518.15 6439.84,1715 ; 6479.21,1439.41 6479.21,1715 ; 6518.58,1518.15 6518.58,1715 ; 6557.95,1518.15 6557.95,1715 ; 6597.32,1518.15 6597.32,1715 ; 6636.69,1518.15 6636.69,1715 ; 6676.06,1478.78 6676.06,1715 ; 6715.44,1518.15 6715.44,1715 ; 6754.81,1518.15 6754.81,1715 ; 6794.18,1518.15 6794.18,1715 ; 6833.55,1518.15 6833.55,1715 ; 6872.91,1439.41 6872.91,1715 ; 6912.28,1518.15 6912.28,1715 ; 6951.65,1518.15 6951.65,1715 ; 6991.02,1518.15 6991.02,1715 ; 7030.4,1518.15 7030.4,1715 ; 7069.77,1478.78 7069.77,1715 ; 7109.14,1518.15 7109.14,1715 ; 7148.51,1518.15 7148.51,1715 ; 7187.88,1518.15 7187.88,1715 ; 7227.24,1518.15 7227.24,1715 ; 7266.61,1439.41 7266.61,1715 ; 7305.98,1518.15 7305.98,1715 ; 7345.36,1518.15 7345.36,1715 ; 7384.73,1518.15 7384.73,1715 ; 7424.1,1518.15 7424.1,1715 ; 7463.47,1478.78 7463.47,1715 ; 7502.84,1518.15 7502.84,1715 ; 7542.21,1518.15 7542.21,1715 ; 7581.58,1518.15 7581.58,1715 ; 7620.95,1518.15 7620.95,1715 ; 7660.32,1439.41 7660.32,1715 ; 7699.69,1518.15 7699.69,1715 ; 7739.06,1518.15 7739.06,1715 ; 7778.43,1518.15 7778.43,1715 ; 7817.8,1518.15 7817.8,1715 ; 7857.17,1478.78 7857.17,1715 ; 7896.54,1518.15 7896.54,1715 ; 7935.91,1518.15 7935.91,1715 ; 7975.28,1518.15 7975.28,1715 ; 8014.65,1518.15 8014.65,1715 ; 8054.02,1439.41 8054.02,1715
  Bottom Layer w14: 7506.89,565 7625,565
  Bottom Layer w24: 7506.89,689.17 7625,689.17
  Bottom Layer w34: 7505.94,813.33 7624.06,813.33
  Bottom Layer w44: 7505.94,937.5 7624.06,937.5
  Bottom Layer w54: 7505.94,1061.67 7624.06,1061.67
  Bottom Layer w64: 7505.94,1185.83 7624.06,1185.83
  Bottom Layer w74: 7505.94,1310 7624.06,1310
  other v1: 6155.75,520.41

## Keep-outs
Top Layer:
  lines w11.81: 5558.27,510.25 5465.62,510.25 cw(c6150.2,512.9) 6834.78,509.57 6754.44,509.57 ; 5558.28,510.25 cw(c6156.35,515.55) 6754.41,509.57
Keep-Out Layer:
  pour cut-out: 5465.01,515.11 cw(c6149.6,517.76) 6834.19,514.43 6753.84,514.43 6753.82,514.43 ccw(c6155.75,520.41) 5557.69,515.11 5557.67,515.11
  lines w10: 4.21,297.36 ccw(c161.69,297.36) 161.69,139.88 8114.45,139.88 ccw(c8114.45,297.36) 8271.93,297.36 8271.93,1557.2 ccw(c8114.45,1557.2) 8114.45,1714.68 161.69,1714.68 ccw(c161.69,1557.2) 4.21,1557.2 4.21,297.36
  lines w11.81: 5557.67,515.11 5465.02,515.11 cw(c6149.6,517.76) 6834.19,514.43 6753.84,514.43 ; 5557.69,515.11 cw(c6155.75,520.41) 6753.82,514.43

## Other copper
Top Layer:
  region: 3989.41,657.33 3961.85,629.77 3953.97,665.21
  region: 3067.87,1290.88 3067.87,1212.13 3146.61,1251.51
  region: 3067.86,1015.28 3067.86,936.54 3146.61,975.91
  region: 3166.28,1031.04 3185.96,1011.35 3189.9,1034.97
  region: 3197.77,1027.09 3217.46,1007.4 3221.39,1031.03
  region: 3178.09,743.62 3158.41,763.31 3154.47,739.69
  region: 3209.59,739.67 3189.91,759.36 3185.97,735.74
  region: 3489.13,1286.94 3489.13,1208.2 3567.87,1247.57
  region: 3487.16,759.05 3487.16,680.31 3565.91,719.68
  region: 3489.13,1015.28 3489.13,936.54 3567.87,975.91
  region: 3944.18,1093.49 3971.74,1121.05 3979.61,1085.62
  region: 3944.17,1093.49 3971.73,1121.05 3979.61,1085.62
  region: 3489.12,1015.28 3489.12,936.54 3567.86,975.91
  region: 3487.16,759.05 3487.16,680.31 3565.9,719.68
  region: 3489.12,1286.94 3489.12,1208.2 3567.86,1247.57
  region: 3067.89,759.37 3067.89,680.63 3146.62,720
  region: 3209.58,739.67 3189.9,759.36 3185.97,735.74
  region: 3178.09,743.62 3158.41,763.31 3154.46,739.69
  region: 3197.77,1027.09 3217.45,1007.4 3221.39,1031.03
  region: 3166.27,1031.04 3185.95,1011.35 3189.89,1034.97
  region: 3067.86,1015.28 3067.86,936.54 3146.6,975.91
  region: 3067.86,1290.88 3067.86,1212.13 3146.6,1251.51
  region: 3067.89,759.37 3067.89,680.63 3146.63,720
  text "T-V-B挖孔" at 5908.66,1850 h60
  text "3" at 1381.48,1432.59 h98.42 r358
  text "8" at 3356.18,1431.15 h98.42 r1
  text "9" at 3746.87,1431.15 h98.42 r1
  text "12" at 4927.97,1430.92 h98.42
  text "1" at 600.6,1430.09 h98.42
  text "4" at 1775,1429.61 h98.42 r358
  text "10" at 4142.7,1429.44 h98.42 r359
  text "11" at 4536.42,1428.79 h98.42
  text "2" at 987.29,1428.47 h98.42 r1
  text "5" at 2170.27,1426.88 h98.42 r359
  text "14" at 5715.11,1427.01 h98.42
  text "17" at 6896.46,1427 h98.42
  text "6" at 2568.89,1426.15 h98.42 r1
  text "13" at 5316.68,1425.92 h98.42 r359
  text "16" at 6499.27,1425.93 h98.42 r359
  text "18" at 7295.16,1426.02 h98.42 r359
  text "19" at 7683.87,1425.92 h98.42 r359
  text "15" at 6111.94,1424.76 h98.42
  text "7" at 2965.18,1421.07 h98.42
  text "90" at 6135.68,1365.55 h60
  text "20cm" at 7950,1360 h98.42
  text "0mm" at 94.5,1356.48 h98.42
  text "C" at 4016.9,1299.57 h47.24 r1
  text "英制 Mil" at 653.92,1211.19 h78.74
  text "B" at 3805.42,1173.31 h47.24
  text "R" at 995,1130 h30
  text "135" at 5490.68,1119.84 h59.05 r359
  text "45" at 6765.1,1115.25 h59.05
  text "E" at 4018.75,1002.15 h47.24
  text "C" at 4017.17,849.28 h47.24 r1
  text "B" at 3807.39,724.49 h47.24
  text "E" at 4020.72,553.33 h47.24
  text "0" at 7030.1,545.25 h59.05 r183
  text "180" at 5215.1,510.25 h59.05
  text "8000" at 7949.43,445.96 h98.42
  text "0mil" at 133.41,418.01 h98.42
  text "2000" at 2143.97,412.28 h98.42
  text "3000" at 3138.22,412.28 h98.42
  text "5000" at 5141.1,412.28 h98.42
  text "1000" at 1135.09,411.41 h98.42
  text "4000" at 4135.94,408.85 h98.42
  text "7000" at 7147.59,407.28 h98.42
Bottom Layer:
  text "90" at 6187.32,1360.55 h59.05
  text "100" at 6064.97,1352.63 h59.05
  text "80" at 6347.95,1344.75 h59.05
  text "110" at 5903.56,1317.19 h59.05 r1
  text "70" at 6481.77,1313.31 h59.05 r359
  text "70mil" at 7344.7,1285 h78.74
  text "120" at 5769.72,1262.14 h59.05 r1
  text "60" at 6639.2,1238.48 h59.05
  text "130" at 5647.67,1179.44 h59.05
  text "60mil" at 7345.05,1160.83 h78.74
  text "50" at 6765.24,1151.84 h59.05
  text "135" at 5579.86,1120.35 h59.05 r1
  text "45" at 6819.48,1105.44 h59.05
  text "140" at 5517.68,1053.43 h59.05 r1
  text "40" at 6863.64,1053.49 h59.05 r1
  text "50mil" at 7344.89,1036.67 h78.74
  text "150" at 5427.22,927.5 h59.05
  text "30" at 6950.32,927.44 h59.05
  text "40mil" at 7345.93,912.5 h78.74
  text "160" at 5368.15,789.72 h59.05
  text "20" at 7017.23,789.7 h59.05
  text "30mil" at 7344.85,788.33 h78.74
  text "20mil" at 7345.39,664.17 h78.74
  text "170" at 5332.67,640.11 h59.05 r1
  text "10" at 7052.63,640.07 h59.05 r1
  text "10mil" at 7343.76,540 h78.74
  text "180" at 5309.06,510.2 h59.05
  text "0" at 7032.39,510.17 h59.05 r357

## Silkscreen, mask and mechanical layers (free items; w line width, h text height)
Top Overlay:
  drawing of 5282 lines, arcs and shapes, not listed
  text "NPN管工作状态" at 4406.26,1258.54 h62.99
  text "NPN管工作状态" at 4406.3,1258.47 h62.99
  text "知行合一，经世致用" at 7145,1200 h60
  text "Vc > Vb > Ve" at 4545.78,1180.52 h66.93
  text "Vc > Vb > Ve" at 4545.82,1180.45 h66.93
  text "放大区" at 4225.24,1177.9 h66.93
  text "放大区" at 4225.28,1177.83 h66.93
  text "肖特基二极管" at 3324.48,1088.83 h78.74
  text "普通二极管" at 2906,1084.76 h78.74
  text "Vb>Ve、Vb>Vc" at 4545.78,1082.09 h66.93
  text "Vb>Ve、Vb>Vc" at 4545.82,1082.02 h66.93
  text "饱和区" at 4224.66,1079.55 h66.93
  text "饱和区" at 4224.7,1079.48 h66.93
  text "截止区" at 4224.74,981.06 h66.93
  text "截止区" at 4224.78,980.99 h66.93
  text "Vbe < 0.7V（硅管）" at 4545.77,979.72 h66.93
  text "Vbe < 0.7V（硅管）" at 4545.81,979.65 h66.93
  text "NPN" at 3769.72,978.34 h78.74
  text "PNP管工作状态" at 4399.94,886.54 h62.99
  text "PNP管工作状态" at 4399.98,886.47 h62.99
  text "发光二极管" at 2911.51,832.87 h78.74
  text "稳压二极管" at 3380.64,829.72 h78.74
  text "放大区" at 4225.3,803.81 h66.93
  text "放大区" at 4225.34,803.74 h66.93
  text "Ve > Vb > Vc" at 4545.76,802.63 h66.93
  text "Ve > Vb > Vc" at 4545.8,802.56 h66.93
  text "靓仔是我，我就是靓仔！" at 1355,790.32 h150
  text "Vb<Ve、Vb<Vc" at 4545.76,708.15 h66.93
  text "Vb<Ve、Vb<Vc" at 4545.8,708.08 h66.93
  text "饱和区" at 4224.64,701.67 h66.93
  text "饱和区" at 4224.68,701.6 h66.93
  text "Veb < 0.7（硅管）" at 4541.82,613.55 h66.93
  text "Veb < 0.7（硅管）" at 4541.85,613.48 h66.93
  text "截止区" at 4224.72,611.05 h66.93
  text "截止区" at 4224.76,610.98 h66.93
  text "收好我的爱，不许反悔不许离开！" at 1195,600 h150
  text "好好学习，天天向上" at 7158.31,600 h60
  text "光电二极管" at 2910.37,564.46 h78.74
  text "变容二极管" at 3358.81,556.92 h78.74
  text "PNP" at 3769.76,525.53 h78.74
  text "\"海内存知己，天涯若比邻\"" at 80,515 h80 r90
  text "Δ I c = β Δ I b" at 4543.76,510.3 h66.93 r359.96
  text "重要公式" at 4199.64,508.82 h66.93
Bottom Overlay:
  text "代码无BUG，电路不虚焊； /     手焊BGA，数我最NB。" at 1345,605 h100
  text "'Can I keep yu as a souvenir?'" at 2260,460 h100
  text "'We were all meant to fly. / Spread your wings across the universe. It's your time to fly'" at 7815,310 h100
  text "——Avril Lavigne" at 5855,305 h100
  text "2020.01.31    ——.cbx" at 1050,270 h100
Top Solder:
  drawing of 791 lines, arcs and shapes, not listed
  text "3" at 1381.48,1432.59 h98.42 r358
  text "8" at 3356.18,1431.15 h98.42 r1
  text "9" at 3746.87,1431.15 h98.42 r1
  text "12" at 4927.99,1430.95 h98.42
  text "1" at 600.6,1430.09 h98.42
  text "4" at 1774.15,1429.61 h98.42 r358
  text "10" at 4142.7,1429.44 h98.42 r359
  text "11" at 4536.42,1428.79 h98.42
  text "2" at 987.29,1428.47 h98.42 r1
  text "5" at 2170.27,1426.88 h98.42 r359
  text "14" at 5715.13,1427.04 h98.42
  text "17" at 6896.48,1427.03 h98.42
  text "6" at 2568.89,1426.15 h98.42 r1
  text "13" at 5316.7,1425.95 h98.42 r359
  text "16" at 6499.29,1425.96 h98.42 r359
  text "18" at 7295.19,1426.05 h98.42 r359
  text "19" at 7683.9,1425.95 h98.42 r359
  text "15" at 6111.94,1424.77 h98.42
  text "7" at 2965.18,1421.07 h98.42
  text "90" at 6135.68,1365.55 h60
  text "20cm" at 7950,1360 h98.42
  text "0mm" at 94.5,1356.48 h98.42
  text "C" at 4014.26,1303.18 h47.24 r1
  text "0402" at 1205,1215 h78.74
  text "0201" at 1003.31,1211.97 h78.74
  text "0603" at 1398.23,1211.97 h78.74
  text "1812" at 2539.96,1211.98 h78.74
  text "英制 Mil" at 653.92,1211.19 h78.74
  text "0805" at 1625,1210 h78.74
  text "1206" at 1860,1210 h78.74
  text "1210" at 2175,1210 h78.74
  text "B" at 3802.78,1176.92 h47.24
  text "R" at 995,1130 h30
  text "135" at 5490.68,1120.55 h59.05 r359
  text "45" at 6765.68,1116.14 h59.05
  text "C" at 995,1080 h30
  text "L" at 995,1035 h30
  text "E" at 4016.11,1005.76 h47.24
  text "C" at 4014.52,852.89 h47.24 r1
  text "B" at 3804.75,728.11 h47.24
  text "E" at 4018.07,556.95 h47.24
  text "0" at 7030.68,545.55 h59.05 r183
  text "180" at 5215.68,510.55 h59.05
  text "8000" at 7949.53,445.61 h98.42
  text "0mil" at 133.44,418.02 h98.42
  text "2000" at 2144,412.29 h98.42
  text "3000" at 3138.25,412.29 h98.42
  text "5000" at 5141.13,412.29 h98.42
  text "1000" at 1135.12,411.42 h98.42
  text "4000" at 4135.93,408.87 h98.42
  text "7000" at 7147.62,407.29 h98.42
Bottom Solder:
  drawing of 233 lines, arcs and shapes, not listed
  text "90" at 6187.32,1360.55 h59.05
  text "100" at 6064.97,1352.63 h59.05
  text "80" at 6347.95,1344.75 h59.05
  text "110" at 5903.56,1317.19 h59.05 r1
  text "70" at 6481.77,1313.31 h59.05 r359
  text "70mil" at 7345,1285 h78.74
  text "120" at 5769.72,1262.14 h59.05 r1
  text "60" at 6639.2,1238.48 h59.05
  text "130" at 5647.67,1179.44 h59.05
  text "60mil" at 7345.35,1160.83 h78.74
  text "50" at 6765.24,1151.84 h59.05
  text "135" at 5579.86,1120.35 h59.05 r1
  text "45" at 6819.48,1105.44 h59.05
  text "140" at 5517.68,1053.43 h59.05 r1
  text "40" at 6863.64,1053.49 h59.05 r1
  text "50mil" at 7345.19,1036.67 h78.74
  text "150" at 5427.22,927.5 h59.05
  text "30" at 6950.32,927.44 h59.05
  text "40mil" at 7346.23,912.5 h78.74
  text "160" at 5368.15,789.72 h59.05
  text "20" at 7017.23,789.7 h59.05
  text "30mil" at 7345.15,788.33 h78.74
  text "20mil" at 7345.68,664.17 h78.74
  text "170" at 5332.67,640.11 h59.05 r1
  text "10" at 7052.63,640.07 h59.05 r1
  text "10mil" at 7342.8,540 h78.74
  text "180" at 5309.06,510.2 h59.05
  text "0" at 7032.39,510.17 h59.05 r357
Mechanical 15:
  lines w0.1: 4094.29,859.24 4096.29,861.24